# Altium PCB BLE-T2.PcbDoc (part 3 of 3)
Units mm, origin at the board's own origin, x right, y up, seen from the top; angles counter-clockwise.
Board outline 284.81 x 94.32 mm, 2 copper layers (Component Side, Bottom Layer), stack 1.571 mm thick; 178 components, 105 nets, 791 pads, 192 vias.
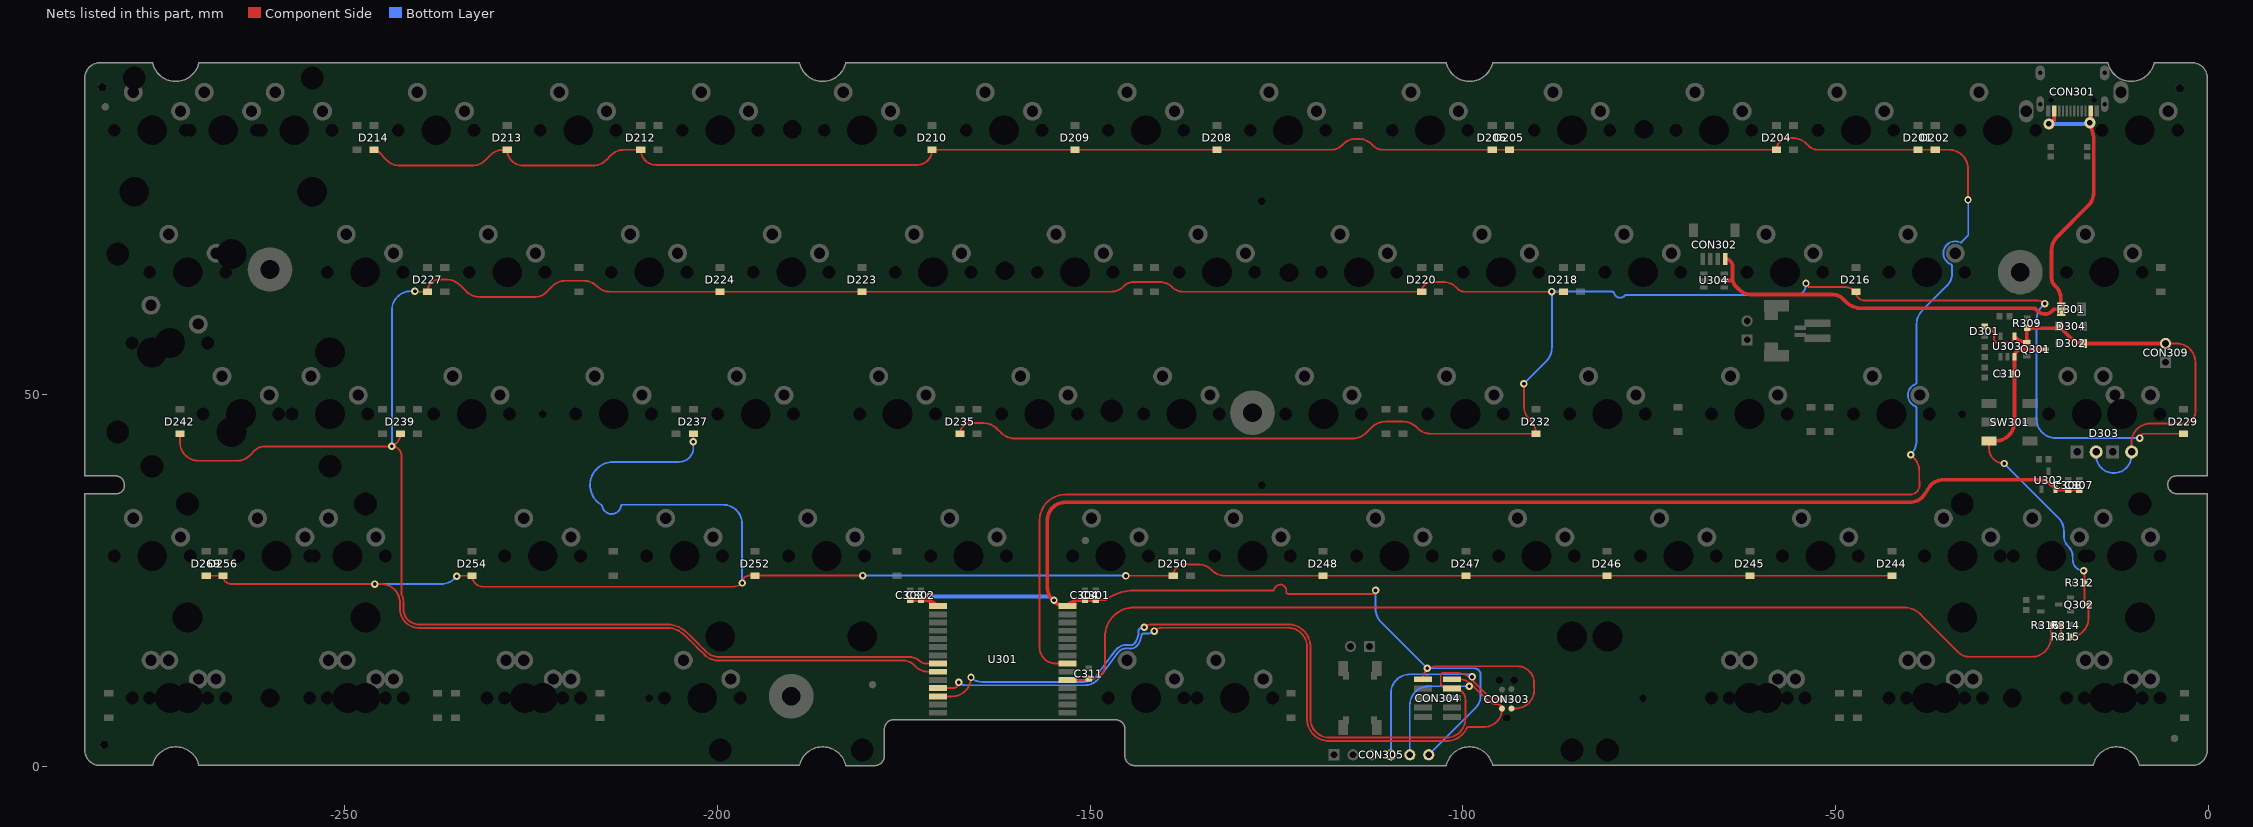
[diagram p3: the nets of this part, all layers, seen from the top]

## Via types
v1: diameter 1, hole 0.5, Component Side to Bottom Layer, tented both sides, 190 vias
v2: diameter 1.5, hole 0.75, Component Side to Bottom Layer, tented both sides, 2 vias

## Nets (pads, with @x,y where several pads share a name; then routed paths per layer and width w, separated by ;. In a path a pad name is that pad's centre, name@x,y a point inside that pad or via, vN(x,y) a via of type N, cw(c..) or ccw(c..) an arc to the next point about the centre after c; other vN are vias at no path point) (continued)
P0.22: D216.2 D218.2 D220.2 D223.2 D224.2 D227.2 D229.2 D232.2 D235.2 D239.2 D242.2 U301.22 | length 518.9
  Component Side w0.254: D242.2@-272.15,44.68 -272.15,43.59 ccw(c-269.61,43.59) -269.61,41.05 -264.502,41.05 ccw(c-264.502,43.59) -262.706,41.794 -262,42.5 cw(c-260.914,41.414) -260.914,42.95 -244.28,42.95 ccw(c-244.28,44.68) D239.2@-242.55,44.68 ; v1(-243.7,43) cw(c-243.7,41.7) -242.4,41.7 -242.4,23.23 ccw(c-242.146,23.23) -242.38,23.132 cw(c-245.14,21.971) -242.147,22.057 cw(c-245.14,21.971) -242.146,21.971 -242.146,21.174 ccw(c-240.06,21.174) -241.514,19.678 ccw(c-240.06,21.174) -241.512,19.677 ccw(c-240.06,21.174) -240.06,19.088 -206.34,19.088 cw(c-206.34,18.834) -206.272,19.079 -205.806,18.952 cw(c-206.828,15.186) -204.095,17.971 -203.456,17.345 -202.502,16.411 cw(c-204.571,14.295) -202.485,16.394 -201.64,15.557 -201.541,15.457 ccw(c-199.745,17.253) -201.491,15.409 ccw(c-199.745,17.253) -199.745,14.713 ; v1(-240.6,63.8) ccw(c-240.53,63.8) -240.53,63.73 D227.2@-238.9,63.73 -238.9,63.85 cw(c-237.4,63.85) -237.4,65.35 -236.29,65.35 cw(c-236.29,62.96) -234.6,64.65 -233.744,63.794 ccw(c-231.948,65.59) -231.948,63.05 -224.449,63.05 ccw(c-224.449,65.099) -223,63.65 -222.194,64.456 cw(c-220.398,62.66) -220.398,65.2 -217.952,65.2 cw(c-217.952,62.66) -216.156,64.456 -216.15,64.45 ccw(c-214.412,66.188) -214.412,63.73 D224.2@-199.644,63.73 D223.2@-180.594,63.73 -147.272,63.73 ccw(c-147.272,66.27) -145.476,64.474 -145.4,64.55 cw(c-144.193,63.343) -144.193,65.05 -140.69,65.05 cw(c-140.69,62.66) -139,64.35 ccw(c-137.503,65.847) -137.503,63.73 D220.2@-105.5,63.73 cw(c-104.18,63.73) -104.18,65.05 -102.652,65.05 cw(c-102.652,62.51) -100.856,64.306 -100.65,64.1 ccw(c-99.757,64.993) -99.757,63.73 D218.2@-86.5,63.73 ; -199.745,14.713 -198.227,14.714 cw(c-198.221,11.755) -198.216,14.714 -197.2,14.713 -174.23,14.713 cw(c-174.23,12.62) -172.75,14.1 ccw(c-172.13,14.72) -172.13,13.843 U301.22@-170.434,13.843 ; D235.2@-167.45,44.68 cw(c-166.03,44.68) -166.03,46.1 -164.302,46.1 cw(c-164.302,43.56) -162.506,45.356 -161.944,44.794 ccw(c-160.148,46.59) -160.148,44.05 -114.752,44.05 ccw(c-114.752,46.59) -112.956,44.794 -112.194,45.556 cw(c-110.398,43.76) -110.398,46.3 -108.002,46.3 cw(c-108.002,43.76) -106.206,45.556 -106.074,45.424 ccw(c-104.278,47.22) -104.278,44.68 D232.2@-90.17,44.68 ccw(c-92.681,44.68) -90.905,46.455 -91.056,46.606 cw(c-89.26,48.402) -91.8,48.402 v1(-91.8,51.4) ; -53.647,64.381 -52.7,64.381 -48.816,64.381 cw(c-48.816,62.158) D216.2@-47.244,63.73 ccw(c-46.045,63.73) -46.045,62.531 -22.82,62.531 cw(c-22.82,61.23) v1(-21.9,62.15) ; v1(-9.15,44.1) cw(c-8.57,44.1) -8.57,44.68 D229.2@-3.302,44.68
  Bottom Layer w0.254: v1(-243.7,43) -243.7,61.26 cw(c-241.16,61.26) -241.16,63.8 v1(-240.6,63.8) ; v1(-91.8,51.4) -88.794,54.406 ccw(c-90.59,56.202) -88.05,56.202 v1(-88.05,63.75) -79.952,63.75 cw(c-79.951,63.496) -79.704,63.556 ccw(c-78.9,63.75) -78.289,63.193 cw(c-78.101,63.022) -78.1,63.276 -55.324,63.276 ccw(c-55.324,64.65) v1@-53.95,64.65 ; v1(-21.9,62.15) -22.256,61.794 ccw(c-20.46,59.998) -23,59.998 -23,46.64 ccw(c-20.46,46.64) -20.46,44.1 v1(-9.15,44.1)
  other v1: -53.95,64.85
P0.24: D237.2 D244.2 D245.2 D246.2 D247.2 D248.2 D250.2 D252.2 D254.2 D256.2 D269.2 U301.23 | length 362.1
  Component Side w0.254: D269.2@-268.6,25.63 D256.2@-266.35,25.63 ccw(c-265.231,25.63) -265.231,24.511 v1(-245.999,24.511) -245.14,24.511 cw(c-245.14,21.971) -242.6,21.971 -242.6,21.174 ccw(c-240.06,21.174) -240.06,18.634 -206.732,18.634 cw(c-206.732,17.926) -206.682,18.632 -206.59,18.626 cw(c-206.828,15.186) -204.413,17.647 -202.821,16.087 cw(c-204.571,14.295) -202.792,16.059 -201.737,15.003 ccw(c-199.94,16.799) -199.94,14.259 -199.745,14.259 -198.227,14.26 ; v1(-235,25.55) cw(c-234.807,25.357) -234.807,25.63 D254.2@-232.918,25.63 ccw(c-231.438,25.63) -231.438,24.15 -197.907,24.15 ccw(c-197.907,25.857) v1(-196.7,24.65) cw(c-195.7,24.65) -195.7,25.65 v1(-180.5,25.65) ; v1(-203.25,43.6) D237.2@-203.25,44.68 ; -198.226,14.26 cw(c-198.221,11.755) -198.216,14.26 ; -198.215,14.26 -197.55,14.259 -176,14.259 -175.05,14.259 cw(c-175.05,12.35) -173.7,13.7 -173.487,13.487 ccw(c-171.691,15.283) -171.691,12.743 U301.23@-171.141,12.743 ; v1@-145.25,25.6 cw(c-145.22,25.6) -145.22,25.63 D250.2@-138.85,25.63 cw(c-137.33,25.63) -137.33,27.15 -135.502,27.15 cw(c-135.502,24.61) -133.706,26.406 -133.6,26.3 ccw(c-131.982,27.918) -131.982,25.63 D248.2@-118.745,25.63 D247.2@-99.568,25.63 D246.2@-80.645,25.63 D245.2@-61.468,25.63 D244.2@-42.418,25.63
  Bottom Layer w0.254: v1(-245.999,24.511) -237.091,24.511 ccw(c-237.091,27.051) -235.295,25.255 v1(-235,25.55) ; v1(-203.25,43.6) -203.25,42.8 cw(c-205.15,42.8) -205.15,40.9 -205.5,40.9 cw(c-205.58,41.141) -205.58,40.887 -214,40.887 ccw(c-214,37.79) -215.592,35.134 cw(c-215.723,34.916) -215.473,34.963 ccw(c-214.214,35.199) -212.959,34.944 cw(c-212.71,34.893) -212.709,35.147 -199.24,35.147 cw(c-199.24,32.607) -196.7,32.607 v1(-196.7,24.65) ; v1@-180.6,25.55 cw(c-180.5,25.55) v1(-180.5,25.65) -145.245,25.65 cw(c-145.245,25.599) v1(-145.193,25.599)
P0.26: D201.2 D202.2 D204.2 D205.2 D206.2 D208.2 D209.2 D210.2 D212.2 D213.2 D214.2 U301.7 | length 414.4
  Component Side w0.254: D214.2@-246.1,82.78 cw(c-246.1,82.007) -245.554,82.554 -244.394,81.394 ccw(c-242.598,83.19) -242.598,80.65 -232.952,80.65 ccw(c-232.952,83.19) -231.156,81.394 -230.514,82.036 cw(c-228.718,80.24) -228.718,82.78 D213.2@-228.219,82.78 ccw(c-226.089,82.78) -226.089,80.65 -216.752,80.65 ccw(c-216.752,83.19) -214.956,81.394 -214.314,82.036 cw(c-212.518,80.24) -212.518,82.78 D212.2@-210.3,82.78 ccw(c-208.27,82.78) -208.27,80.75 -173.226,80.75 ccw(c-173.226,82.78) D210.2@-171.196,82.78 D209.2@-152.019,82.78 D208.2@-132.969,82.78 -117.626,82.78 ccw(c-117.626,84.726) -116.25,83.35 -116.094,83.506 cw(c-114.298,81.71) -114.298,84.25 -114.002,84.25 cw(c-114.002,81.71) -112.206,83.506 -112.05,83.35 ccw(c-110.674,84.726) -110.674,82.78 D206.2@-96.05,82.78 D205.2@-93.75,82.78 D204.2@-57.9,82.78 cw(c-56.33,82.78) -56.33,84.35 -55.702,84.35 cw(c-55.702,81.81) -53.906,83.606 -53.6,83.3 ccw(c-52.345,84.555) -52.345,82.78 D201.2@-38.9,82.78 D202.2@-36.6,82.78 -34.748,82.78 cw(c-34.748,80.24) -32.208,80.24 v1(-32.208,76.054) ; U301.7@-153.034,13.843 -154.647,13.843 cw(c-154.647,15.968) -156.772,15.968 -156.772,22.6 -156.772,22.622 -156.772,32.28 -156.772,33.061 cw(c-153.324,33.061) -156.252,34.882 cw(c-153.324,33.061) -155.092,36.021 cw(c-153.324,33.061) -153.324,36.509 -40,36.509 ccw(c-40,37.79) -38.721,37.853 -38.752,39.032 cw(c-38.044,39.05) -38.752,39.05 ; v1(-39.908,41.873) -39.496,41.462 cw(c-41.292,39.666) -38.752,39.666 ; -38.752,39.051 -38.752,39.664
  Bottom Layer w0.254: v1(-39.908,41.873) -39.875,41.906 ccw(c-41.671,43.702) -39.131,43.702 -39.131,48.144 ccw(c-39.385,48.145) -39.288,48.379 cw(c-38.677,49.855) -39.288,51.331 ccw(c-39.385,51.565) -39.131,51.566 -39.131,59.203 cw(c-36.137,59.203) -38.879,60.407 cw(c-36.137,59.203) -38.254,61.321 -35.113,64.463 -34.98,64.595 ccw(c-36.455,66.07) -34.369,66.07 -34.369,67.194 ccw(c-34.623,67.195) -34.526,67.429 cw(c-33.915,68.905) -33.275,70.368 ccw(c-33.173,70.601) -33.119,70.353 -33.107,70.356 -32.181,71.281 v1@-32.181,76.031
P0.29: C311.2 R314.2 R315.1 R316.1 U301.5 | length 148.1
  Component Side w0.254: U301.5@-153.034,11.643 -150.507,11.643 ccw(c-150.507,12.9) C311.2@-149.816,11.85 ; C311.2@-150.2,11.85 C311.2@-149.816,11.85 ; R315.1@-19.75,17.45 R314.2@-19.75,19 R316.1@-21.1,19 -21.1,17.289 cw(c-23.64,17.289) -23.64,14.749 -32.039,14.749 cw(c-32.039,16.835) -33.512,15.358 -36.227,18.073 -37.475,19.321 cw(c-37.296,19.501) -37.5,19.35 cw(c-37.349,19.554) -37.529,19.375 -38.327,20.173 -38.647,20.493 ccw(c-40.765,18.377) -39.232,20.948 ccw(c-40.765,18.377) -40.765,21.371 -144.125,21.371 ccw(c-144.125,20.463) -144.136,21.371 -144.148,21.371 ccw(c-144.11,17.469) -147.434,19.513 ccw(c-144.11,17.469) -148.012,17.469 -148.012,13.412 cw(c-148.266,13.411) -148.014,13.378 cw(c-149.75,13.6) -149.75,11.85 C311.2@-149.816,11.85
RAW: CON301.A4B9 CON301.B4A9 CON302.1 F301.2 U304.5 | length 87.8
  Component Side w0.5: U304.5@-64.925,65.25 -63.841,65.25 cw(c-63.841,65.142) -63.765,65.218 ; CON302.1@-64.77,68.125 cw(c-64.77,67.155) -63.8,67.155 -63.8,65.55 ccw(c-62.231,65.55) -63.765,65.218 ; v2(-21.35,86.25) ccw(c-21.35,86.95) -20.65,86.95 CON301.B4A9@-20.65,88 ; F301.2@-20.026,61.074 F301.2@-19.7,61.4 -20.593,61.4 ccw(c-20.595,60.9) -20.724,61.383 cw(c-21.9,62.15) -23.019,61.302 ccw(c-23.417,61) -23.419,61.5 -24.199,61.5 -46.425,61.5 cw(c-46.425,64.617) -48.629,62.413 -48.99,62.774 ccw(c-50.379,61.387) -49.096,62.873 ccw(c-50.379,61.387) -50.379,63.35 -61.198,63.35 cw(c-61.198,65.89) -62.994,64.094 -63.34,64.44 cw(c-62.231,65.55) -63.765,65.218 ; F301.2@-19.75,61.5 -19.75,62.76 ccw(c-22.14,62.76) -20.45,64.45 -20.576,64.576 cw(c-19.551,65.6) -21,65.6 -21,69.298 cw(c-18.46,69.298) -20.256,71.094 -16.094,75.256 ccw(c-17.89,77.052) -15.35,77.052 -15.35,84.5 -15.423,84.807 v2(-15.859,86.399) ccw(c-16.122,86.662) -15.75,86.662 CON301.A4B9@-15.75,88
  Bottom Layer w0.5: v2(-21.35,86.25) -16.008,86.25 ccw(c-16.008,86.399) v2(-15.859,86.399)
SWDCLK: CON303.4 CON304.4 CON305.4 U301.26 | length 129.4
  Component Side w0.254: U301.26@-170.434,9.443 -168.529,9.443 ccw(c-168.529,11.983) v1(-165.989,11.983) ; v1(-142.75,18.7) cw(c-141.782,17.732) -141.782,19.101 -123.444,19.101 cw(c-123.444,16.107) -122.787,19.028 cw(c-123.444,16.107) -120.523,16.764 cw(c-123.444,16.107) -120.45,16.107 -120.45,6.44 ccw(c-117.91,6.44) -117.91,3.9 -102.19,3.9 ccw(c-102.19,6.44) -99.65,6.44 -99.65,9 ccw(c-101.135,9) -101.135,10.485 CON304.4@-101.428,10.485 -102.2,10.485 cw(c-102.2,11.24) -102.955,11.24 -102.955,12.27 cw(c-102.652,12.27) -102.652,12.573 -100.727,12.573 cw(c-100.727,10.033) -99.132,12.01 cw(c-100.727,10.033) -98.931,11.829 -98.542,11.44 ; -98.552,11.43 -96.939,9.817 ccw(c-95.143,11.613) -95.143,9.073 CON303.4@-94.742,9.073
  Bottom Layer w0.254: v1(-165.989,11.983) ccw(c-164.543,13.429) -164.543,11.384 -150.777,11.384 ccw(c-150.777,13.47) -149.341,11.957 ccw(c-149.516,12.141) -149.312,11.99 -147.625,14.256 -146.801,15.364 ; -146.76,15.411 cw(c-145.039,14.295) -144.684,16.315 ; -145.002,16.346 cw(c-145.039,14.295) -144.689,16.316 ccw(c-144.565,17.013) -144.684,16.315 ; v1(-142.75,18.7) ccw(c-142.75,17.5) -143.291,18.571 ccw(c-143.177,18.344) -143.359,18.522 cw(c-143.95,19.1) -143.408,18.475 ccw(c-143.242,18.283) -143.496,18.283 -143.496,18.246 cw(c-146.49,18.246) -143.741,17.06 cw(c-146.49,18.246) -143.971,16.627 cw(c-144.565,17.013) -144.684,16.315 ; CON305.4@-109.65,1.6 -109.65,9.86 cw(c-107.11,9.86) -107.11,12.4 -104.978,12.4 cw(c-104.977,12.146) -104.929,12.396 ccw(c-104.775,13.208) -104.621,12.396 cw(c-104.573,12.146) -104.572,12.4 -99.1,12.4 cw(c-99.1,12.05) v1(-98.75,12.05)
SWDIO: CON303.2 CON304.2 CON305.5 U301.25 | length 119.3
  Component Side w0.254: U301.25@-170.18,10.543 -168.4,10.543 ccw(c-168.4,11.303) v1(-167.64,11.303) ; v1(-141.4,18.2) cw(c-140.321,17.121) -140.321,18.647 -123.444,18.647 cw(c-123.444,16.107) -123.011,18.61 cw(c-123.444,16.107) -120.941,16.54 cw(c-123.444,16.107) -120.904,16.107 -120.904,6.39 ccw(c-118.364,6.39) -120.838,5.814 ccw(c-117.91,6.44) -117.91,3.446 -102.19,3.446 ccw(c-102.19,6.44) -100.242,4.166 ccw(c-102.19,6.44) -99.481,5.165 cw(c-99.251,5.057) -99.297,5.307 cw(c-99.081,4.166) -99.081,5.327 -97.49,5.327 cw(c-97.16,2.96) -97.16,5.35 -97.1,5.35 ccw(c-97.1,7.708) -95.25,6.246 ccw(c-97.1,7.708) -94.742,7.708 CON303.2@-94.742,7.803 ccw(c-95.321,7.803) -95.321,8.382 cw(c-95.321,10.374) -96.729,8.965 -98.775,11.011 ccw(c-100.571,9.215) -100.571,11.755 CON304.2@-101.428,11.755
  Bottom Layer w0.254: v1(-167.64,11.303) ccw(c-166.739,12.204) -166.739,10.93 -150.777,10.93 ccw(c-150.777,13.47) -148.981,11.674 -147.035,14.289 -146.462,15.059 -146.437,15.092 ccw(c-146.605,15.283) -146.39,15.147 cw(c-145.039,14.295) -144.762,15.868 ; -145.247,15.878 cw(c-145.039,14.295) -144.767,15.869 ccw(c-144.565,17.013) -144.762,15.868 ; v1(-141.4,18.2) cw(c-142.182,18.982) -142.182,17.876 ccw(c-142.182,17.622) -142.185,17.876 -142.746,17.873 cw(c-142.75,18.7) -142.819,17.876 ccw(c-142.841,17.623) -143.091,17.666 cw(c-146.49,18.246) -143.155,17.37 cw(c-146.49,18.246) -143.59,16.38 cw(c-144.565,17.013) -144.762,15.868 ; CON305.5@-107.11,1.6 -107.11,8.26 cw(c-104.57,8.26) -104.57,10.8 v1(-99.15,10.8)
VBAT: C310.2 Q301.3 Q302.3 R312.1 R315.2 SW301.1 U303.3 | length 51.7
  Component Side w0.254: SW301.1@-29.376,43.728 -29.376,42.701 ccw(c-27.357,42.701) v1(-27.357,40.682) ; R315.2@-18.45,17.45 ccw(c-18.45,19.842) -16.058,19.842 Q302.3@-16.058,21.76 cw(c-16.058,22.302) -16.6,22.302 -16.6,24.7 -16.6,26.2 ccw(c-16.7,26.2) v1(-16.7,26.3)
  Component Side w0.5: SW301.1@-29.376,43.728 -28.514,43.728 ccw(c-28.514,46.268) -25.974,46.268 U303.3@-25.974,55.013 cw(c-24.98,55.013) -24.98,56.007 Q301.3@-21.914,56.007
  Bottom Layer w0.254: v1(-27.357,40.682) -20.094,33.419 cw(c-21.89,31.623) -19.35,31.623 -19.35,30.999 ccw(c-17.301,30.999) -18.75,29.55 cw(c-20.199,28.101) -18.15,28.101 -18.15,27.75 ccw(c-16.7,27.75) v1(-16.7,26.3)
VCC3V3: C301.2 C302.2 C303.2 C304.2 C307.2 C308.2 CON303.1 CON304.1 CON305.6 U301.14 U301.15 U302.2 | length 278
  Component Side w0.254: C301.2@-149.227,22.35 -148.01,22.35 ccw(c-148.01,22.604) -147.859,22.4 cw(c-144.125,17.405) -144.556,23.626 -144.389,23.638 cw(c-144.294,22.279) -144.294,23.641 -126.15,23.641 -125.54,23.641 ccw(c-125.54,23.895) -125.296,23.826 cw(c-124.5,23.6) -123.682,23.478 ccw(c-123.431,23.441) -123.431,23.187 -122.55,23.187 -112.163,23.187 ccw(c-112.163,23.65) v1(-111.7,23.65) ; v1(-104.775,13.208) -104.615,13.208 ccw(c-103.759,11.893) -105.328,11.893 CON304.1@-105.328,11.755 cw(c-103.602,11.755) -103.893,13.456 cw(c-103.602,11.755) -103.602,13.481 -92.668,13.481 cw(c-92.668,11.237) -90.424,11.237 -90.424,10.541 ; CON303.1@-93.472,7.803 -92.955,7.803 ccw(c-92.955,10.343) -90.424,10.131 ccw(c-92.955,10.343) -90.415,10.343 -90.415,10.541
  Component Side w0.5: C303.2@-174.15,22.35 C302.2@-172.7,22.35 ccw(c-172.7,24.04) v1@-171.505,22.845 ; C302.2@-172.293,22.35 cw(c-172.293,19.81) -170.497,21.606 U301.15@-170.434,21.543 ; C301.2@-149.227,22.35 C304.2@-150.7,22.35 -151.342,22.35 ccw(c-151.342,19.81) -153.026,21.712 ccw(c-151.342,19.81) -153.138,21.606 -153.201,21.543 cw(c-153.201,24.083) -155.741,24.083 -155.741,29.8 -155.741,33.061 cw(c-153.324,33.061) -155.388,34.319 cw(c-153.324,33.061) -153.324,35.478 -40,35.478 ccw(c-40,37.79) -39.006,35.703 ccw(c-40,37.79) -38.066,36.523 -37.309,37.676 cw(c-36.891,37.402) -37.244,37.756 cw(c-35.448,35.96) -35.448,38.5 -22.752,38.5 cw(c-22.752,35.96) -20.956,37.756 U302.2@-20.45,37.25 ; U302.2@-20.209,37.15 C308.2@-18.75,37.15 C307.2@-17.3,37.15
  Bottom Layer w0.254: v1(-111.7,23.65) -111.7,21.185 ccw(c-109.16,21.185) -110.956,19.389 v1(-104.775,13.208) -98.508,13.208 cw(c-98.508,12.3) -97.6,12.3 -97.6,9.622 cw(c-100.14,9.622) -98.344,7.826 CON305.6@-104.57,1.6
  Bottom Layer w0.5: v1(-171.5,22.85) -156.057,22.85 cw(c-156.057,21.143) v1(-154.85,22.35)
VCC5V: CON309.2 D301.1 D302.1 D303.1 D304.2 Q301.1 R309.1 U303.4 | length 66.2
  Component Side w0.254: D301.1@-29.972,59.07 cw(c-29.972,57.793) -28.695,57.793 -28.695,57.366 ccw(c-28.229,57.366) -28.229,56.9 -26.837,56.9 ccw(c-26.837,57.763) U303.4@-25.974,57.763 ; D303.1@-10.262,42.235 -10.262,43.51 cw(c-7.722,43.51) -7.722,46.05 -3.25,46.05 ccw(c-3.25,47.6) -1.7,47.6 -1.7,54.26 ; CON309.2@-5.7,56.8 -4.24,56.8 ; -4.24,56.8 cw(c-4.24,54.26) -1.7,54.26 ; -4.24,56.8 cw(c-4.24,54.26) -1.7,54.26
  Component Side w0.5: U303.4@-25.974,57.763 -25.772,57.561 ccw(c-24.314,59.019) Q301.1@-24.314,56.957 ; Q301.1@-24.106,57.165 ccw(c-24.106,56.957) Q301.1@-24.314,56.957 ; CON309.2@-5.7,56.8 D302.1@-16.715,56.8 cw(c-16.715,59.142) -18.371,57.486 D304.2@-19.985,59.1 cw(c-20.589,59.704) -20.589,58.85 R309.1@-24.25,58.85 ccw(c-24.25,58.786) -24.314,58.786 Q301.1@-24.314,56.957
  Bottom Layer w0.254: D303.1@-15.024,42.235 -15.024,41.774 ccw(c-12.65,41.774) -12.65,39.4 ccw(c-12.65,41.788) -10.262,41.788 D303.1@-10.262,42.235
pads on no net: CON301. CON301.A8 CON301.B8 CON303.0 CON303.6 CON304.6 CON304.7 CON304.8 D303. FID1.0 FID2.0 FID3.0 FID4.0 S201. S202. S203. S204. S205. S206. S207. S208. S209. S210. S211. S212. S213. S214. S215. S216. S217. S218. S219. S220. S221. S222. S223. S224. S225. S226. S227. S228. S228_2. S229. S230. S231. S232. S233. S234. S235. S236. S237. S238. S239. S240. S242. S243. S244. S245. S246. S247. S248. S249. S250. S251. S252. S253. S254. S256. S257. S258. S259. S260. S262. S264. S265. S266. S267. S269. S301. S302. SW301.3 SW301.4 SW301.5 SW301.6 U304.1 U304.6

## Polygon pours and split planes (outlines as drawn)
GND on Bottom Layer "Component Side-No Net" (hatched 45Degree grid 0.508 track 0.203, remove dead copper, pour order 0): -0.635,93.995 -0.635,0.65 -284.5,0.65 -284.5,93.995
GND on Component Side "Component Side-No Net" (hatched 45Degree grid 0.508 track 0.203, remove dead copper, pour order 5): -0.635,93.995 -0.635,0.65 -284.45,0.65 -284.45,93.995

## Other copper
Component Side:
  pour cut-out: -179.576,0.298 cw(c-179.576,0.426) -179.585,0.553 ccw(c-179.655,1.521) -178.697,1.367 cw(c-178.572,1.347) -178.688,1.398 -178.688,5.791 cw(c-178.56,5.791) -178.686,5.811 cw(c-177.476,5.617) -177.565,6.839 -145.34,6.839 cw(c-145.34,6.719) -145.319,6.837 cw(c-145.298,6.713) -145.278,6.837 cw(c-145.472,5.628) -144.25,5.716 cw(c-144.425,5.709) -144.252,5.685 cw(c-144.37,5.665) -144.25,5.664 -144.25,1.536 cw(c-144.371,1.535) -144.252,1.512 cw(c-144.37,1.474) -144.246,1.483 ccw(c-143.279,1.518) -143.25,0.55 cw(c-143.374,0.398) -143.204,0.3
  pour cut-out: -214,36.59 cw(c-214,37.79) -214,38.99 -40,38.99 cw(c-40,37.79) -38.8,37.79 cw(c-40,37.79) -40,36.59
  pour cut-out: -214,74.69 cw(c-214,75.89) -214,77.09 -40,77.09 cw(c-40,75.89) -38.8,75.89 cw(c-40,75.89) -40,74.69
  pour cut-out: -285.3,2.215 ccw(c-282.85,2.215) -282.85,-0.235 ccw(c-282.85,0.215) -282.848,-0.235 -275.85,-0.235 ccw(c-275.85,0.215) -275.411,0.114 cw(c-272.7,-0.52) -269.989,0.113 ccw(c-269.55,0.215) -269.1,0.215 ccw(c-269.55,0.215) -269.111,0.317 ccw(c-272.7,-0.52) -276.189,0.665 -282.85,0.665 ccw(c-282.85,0.215) -282.851,0.665 ccw(c-282.85,2.215) -282.85,0.665 -282.851,0.665 cw(c-282.85,2.215) -284.4,2.215 -284.4,36.126 -280.67,36.126 ccw(c-280.67,37.719) -279.077,37.719 -279.077,37.795 ccw(c-280.797,37.795) -280.797,39.515 -284.4,39.515 -284.4,92.415 ccw(c-284.85,92.415) -284.4,92.416 cw(c-282.85,92.415) -282.851,93.965 cw(c-282.85,92.415) -282.85,93.965 -276.189,93.965 ccw(c-272.7,95.149) -269.211,93.965 -189.389,93.965 ccw(c-185.9,95.149) -182.411,93.965 -102.589,93.965 ccw(c-99.1,95.149) -95.611,93.965 -13.816,93.965 ccw(c-10.327,95.149) -6.838,93.965 -2.15,93.965 cw(c-2.15,92.415) -0.6,92.415 -0.6,39.515 -4.242,39.515 ccw(c-4.242,37.846) -5.911,37.846 ccw(c-4.191,37.846) -4.191,36.126 -0.6,36.126 -0.6,2.215 cw(c-2.15,2.215) -2.15,0.665 -8.811,0.665 ccw(c-12.3,-0.52) -15.789,0.665 -95.611,0.665 ccw(c-99.1,-0.52) -102.589,0.665 -182.411,0.665 ccw(c-185.9,-0.52) -189.489,0.317 ccw(c-189.05,0.215) -188.611,0.113 cw(c-185.9,-0.52) -183.189,0.114 cw(c-185.9,-0.52) -183.189,0.113 -183.189,0.114 ccw(c-182.75,0.215) -182.75,-0.235 -102.25,-0.235 ccw(c-102.25,0.215) -101.811,0.115 cw(c-99.1,-0.52) -96.389,0.114 cw(c-99.1,-0.52) -96.389,0.113 -96.389,0.114 ccw(c-95.95,0.215) -95.95,-0.235 -15.45,-0.235 ccw(c-15.45,0.215) -15.011,0.114 cw(c-12.3,-0.52) -9.589,0.113 ccw(c-9.15,0.215) -9.15,-0.235 -2.15,-0.235 ccw(c-2.15,2.215) 0.3,2.215 0.3,36.576 ccw(c-0.15,36.576) -0.15,37.026 -4.191,37.026 cw(c-4.191,37.846) -5.011,37.846 cw(c-4.242,37.846) -4.242,38.615 -0.15,38.615 ccw(c-0.15,39.065) 0.3,39.065 0.3,92.415 ccw(c-2.15,92.415) -2.15,94.865 -7.15,94.865 ccw(c-7.15,94.415) -7.164,94.865 ccw(c-7.177,94.415) -7.616,94.517 cw(c-10.327,95.149) -13.038,94.516 cw(c-10.327,95.149) -13.038,94.517 -13.038,94.516 ccw(c-13.477,94.415) -13.477,94.865 -95.95,94.865 ccw(c-95.95,94.415) -96.389,94.517 cw(c-99.1,95.149) -101.811,94.516 cw(c-99.1,95.149) -101.811,94.517 -101.811,94.516 ccw(c-102.25,94.415) -102.25,94.865 -182.75,94.865 ccw(c-182.75,94.415) -183.189,94.516 ccw(c-185.9,95.149) -183.189,94.517 -183.189,94.516 cw(c-185.9,95.149) -188.611,94.517 ccw(c-189.05,94.415) -189.05,94.865 -269.55,94.865 ccw(c-269.55,94.415) -269.988,94.517 cw(c-272.7,95.149) -275.411,94.516 ccw(c-275.85,94.415) -275.85,94.865 -282.85,94.865 cw(c-282.85,94.415) -282.848,94.865 -282.85,94.865 ccw(c-282.85,92.415) -285.3,92.415 ccw(c-284.85,92.415) -285.3,92.413 -285.3,39.065 ccw(c-284.85,39.065) -284.85,38.615 -280.797,38.615 cw(c-280.797,37.795) -279.977,37.795 -279.977,37.719 cw(c-280.67,37.719) -280.67,37.026 -284.861,37.026 ccw(c-284.861,36.576) -285.3,36.477
  pour cut-out: -269.55,-0.235 cw(c-269.55,0.215) -269.55,0.665 -189.05,0.665 cw(c-189.05,0.215) -188.6,0.215 cw(c-189.05,0.215) -189.05,-0.235
  pour cut-out: -285.313,36.012 -285.313,39.695 -280.67,39.695 cw(c-280.67,37.846) -280.67,35.997 -285.298,35.997 cw(c-285.298,36.012)
  pour cut-out: 0.254,39.624 0.254,35.941 -4.389,35.941 cw(c-4.389,37.79) -4.389,39.639 0.239,39.639 cw(c0.239,39.624)
  pour cut-out: -13.836,94.342 ccw(c-10.3,95.149) -6.753,94.388 ccw(c-6.878,94.415) -6.75,94.415 ccw(c-6.878,94.415) -6.878,94.542 -13.667,94.542 ccw(c-13.667,94.415) -13.777,94.48 ccw(c-13.712,94.37)
  pour cut-out: -8.764,0.288 ccw(c-12.3,-0.519) -15.847,0.242 ccw(c-15.722,0.215) -15.85,0.215 ccw(c-15.722,0.215) -15.722,0.088 -8.933,0.088 ccw(c-8.933,0.215) -8.823,0.15 ccw(c-8.888,0.26)
  pour cut-out: -95.564,0.288 ccw(c-99.1,-0.519) -102.647,0.242 ccw(c-102.522,0.215) -102.65,0.215 ccw(c-102.522,0.215) -102.522,0.088 -95.733,0.088 ccw(c-95.733,0.215) -95.623,0.15 ccw(c-95.688,0.26)
  pour cut-out: -182.364,0.288 ccw(c-185.9,-0.519) -189.447,0.242 ccw(c-189.322,0.215) -189.45,0.215 ccw(c-189.322,0.215) -189.322,0.088 -182.533,0.088 ccw(c-182.533,0.215) -182.423,0.15 ccw(c-182.488,0.26)
  pour cut-out: -269.164,0.288 ccw(c-272.7,-0.519) -276.247,0.242 ccw(c-276.122,0.215) -276.25,0.215 ccw(c-276.122,0.215) -276.122,0.088 -269.333,0.088 ccw(c-269.333,0.215) -269.223,0.15 ccw(c-269.288,0.26)
  pour cut-out: -102.636,94.342 ccw(c-99.1,95.149) -95.553,94.388 ccw(c-95.678,94.415) -95.55,94.415 ccw(c-95.678,94.415) -95.678,94.542 -102.467,94.542 ccw(c-102.467,94.415) -102.577,94.48 ccw(c-102.512,94.37)
  pour cut-out: -189.436,94.342 ccw(c-185.9,95.149) -182.353,94.388 ccw(c-182.478,94.415) -182.35,94.415 ccw(c-182.478,94.415) -182.478,94.542 -189.267,94.542 ccw(c-189.267,94.415) -189.377,94.48 ccw(c-189.312,94.37)
  pour cut-out: -276.236,94.342 ccw(c-272.7,95.149) -269.153,94.388 ccw(c-269.278,94.415) -269.15,94.415 ccw(c-269.278,94.415) -269.278,94.542 -276.067,94.542 ccw(c-276.067,94.415) -276.177,94.48 ccw(c-276.112,94.37)
Bottom Layer:
  pour cut-out: -179.576,0.298 cw(c-179.576,0.426) -179.585,0.553 ccw(c-179.655,1.521) -178.697,1.367 cw(c-178.572,1.347) -178.688,1.398 -178.688,5.791 cw(c-178.56,5.791) -178.686,5.811 cw(c-177.476,5.617) -177.565,6.839 -145.34,6.839 cw(c-145.34,6.719) -145.319,6.837 cw(c-145.298,6.713) -145.278,6.837 cw(c-145.472,5.628) -144.25,5.716 cw(c-144.425,5.709) -144.252,5.685 cw(c-144.37,5.665) -144.25,5.664 -144.25,1.536 cw(c-144.371,1.535) -144.252,1.512 cw(c-144.37,1.474) -144.246,1.483 ccw(c-143.279,1.518) -143.25,0.55 cw(c-143.374,0.398) -143.204,0.3
  pour cut-out: -214,36.59 cw(c-214,37.79) -214,38.99 -40,38.99 cw(c-40,37.79) -38.8,37.79 cw(c-40,37.79) -40,36.59
  pour cut-out: -214,74.69 cw(c-214,75.89) -214,77.09 -40,77.09 cw(c-40,75.89) -38.8,75.89 cw(c-40,75.89) -40,74.69
  pour cut-out: -285.3,2.215 ccw(c-282.85,2.215) -282.85,-0.235 ccw(c-282.85,0.215) -282.848,-0.235 -275.85,-0.235 ccw(c-275.85,0.215) -275.411,0.114 cw(c-272.7,-0.52) -269.989,0.113 ccw(c-269.55,0.215) -269.1,0.215 ccw(c-269.55,0.215) -269.111,0.317 ccw(c-272.7,-0.52) -276.189,0.665 -282.85,0.665 ccw(c-282.85,0.215) -282.851,0.665 ccw(c-282.85,2.215) -282.85,0.665 -282.851,0.665 cw(c-282.85,2.215) -284.4,2.215 -284.4,36.126 -280.67,36.126 ccw(c-280.67,37.719) -279.077,37.719 -279.077,37.795 ccw(c-280.797,37.795) -280.797,39.515 -284.4,39.515 -284.4,92.415 ccw(c-284.85,92.415) -284.4,92.416 cw(c-282.85,92.415) -282.851,93.965 cw(c-282.85,92.415) -282.85,93.965 -276.189,93.965 ccw(c-272.7,95.149) -269.211,93.965 -189.389,93.965 ccw(c-185.9,95.149) -182.411,93.965 -102.589,93.965 ccw(c-99.1,95.149) -95.611,93.965 -13.816,93.965 ccw(c-10.327,95.149) -6.838,93.965 -2.15,93.965 cw(c-2.15,92.415) -0.6,92.415 -0.6,39.515 -4.242,39.515 ccw(c-4.242,37.846) -5.911,37.846 ccw(c-4.191,37.846) -4.191,36.126 -0.6,36.126 -0.6,2.215 cw(c-2.15,2.215) -2.15,0.665 -8.811,0.665 ccw(c-12.3,-0.52) -15.789,0.665 -95.611,0.665 ccw(c-99.1,-0.52) -102.589,0.665 -182.411,0.665 ccw(c-185.9,-0.52) -189.489,0.317 ccw(c-189.05,0.215) -188.611,0.113 cw(c-185.9,-0.52) -183.189,0.114 cw(c-185.9,-0.52) -183.189,0.113 -183.189,0.114 ccw(c-182.75,0.215) -182.75,-0.235 -102.25,-0.235 ccw(c-102.25,0.215) -101.811,0.115 cw(c-99.1,-0.52) -96.389,0.114 cw(c-99.1,-0.52) -96.389,0.113 -96.389,0.114 ccw(c-95.95,0.215) -95.95,-0.235 -15.45,-0.235 ccw(c-15.45,0.215) -15.011,0.114 cw(c-12.3,-0.52) -9.589,0.113 ccw(c-9.15,0.215) -9.15,-0.235 -2.15,-0.235 ccw(c-2.15,2.215) 0.3,2.215 0.3,36.576 ccw(c-0.15,36.576) -0.15,37.026 -4.191,37.026 cw(c-4.191,37.846) -5.011,37.846 cw(c-4.242,37.846) -4.242,38.615 -0.15,38.615 ccw(c-0.15,39.065) 0.3,39.065 0.3,92.415 ccw(c-2.15,92.415) -2.15,94.865 -7.15,94.865 ccw(c-7.15,94.415) -7.164,94.865 ccw(c-7.177,94.415) -7.616,94.517 cw(c-10.327,95.149) -13.038,94.516 cw(c-10.327,95.149) -13.038,94.517 -13.038,94.516 ccw(c-13.477,94.415) -13.477,94.865 -95.95,94.865 ccw(c-95.95,94.415) -96.389,94.517 cw(c-99.1,95.149) -101.811,94.516 cw(c-99.1,95.149) -101.811,94.517 -101.811,94.516 ccw(c-102.25,94.415) -102.25,94.865 -182.75,94.865 ccw(c-182.75,94.415) -183.189,94.516 ccw(c-185.9,95.149) -183.189,94.517 -183.189,94.516 cw(c-185.9,95.149) -188.611,94.517 ccw(c-189.05,94.415) -189.05,94.865 -269.55,94.865 ccw(c-269.55,94.415) -269.988,94.517 cw(c-272.7,95.149) -275.411,94.516 ccw(c-275.85,94.415) -275.85,94.865 -282.85,94.865 cw(c-282.85,94.415) -282.848,94.865 -282.85,94.865 ccw(c-282.85,92.415) -285.3,92.415 ccw(c-284.85,92.415) -285.3,92.413 -285.3,39.065 ccw(c-284.85,39.065) -284.85,38.615 -280.797,38.615 cw(c-280.797,37.795) -279.977,37.795 -279.977,37.719 cw(c-280.67,37.719) -280.67,37.026 -284.861,37.026 ccw(c-284.861,36.576) -285.3,36.477
  pour cut-out: -269.55,-0.235 cw(c-269.55,0.215) -269.55,0.665 -189.05,0.665 cw(c-189.05,0.215) -188.6,0.215 cw(c-189.05,0.215) -189.05,-0.235
  pour cut-out: -285.313,36.012 -285.313,39.695 -280.67,39.695 cw(c-280.67,37.846) -280.67,35.997 -285.298,35.997 cw(c-285.298,36.012)
  pour cut-out: 0.254,39.624 0.254,35.941 -4.389,35.941 cw(c-4.389,37.79) -4.389,39.639 0.239,39.639 cw(c0.239,39.624)
  pour cut-out: -13.836,94.327 ccw(c-10.3,95.134) -6.753,94.373 ccw(c-6.878,94.4) -6.75,94.4 ccw(c-6.878,94.4) -6.878,94.527 -13.667,94.527 ccw(c-13.667,94.4) -13.777,94.465 ccw(c-13.712,94.355)
  pour cut-out: -269.164,0.288 ccw(c-272.7,-0.519) -276.247,0.242 ccw(c-276.122,0.215) -276.25,0.215 ccw(c-276.122,0.215) -276.122,0.088 -269.333,0.088 ccw(c-269.333,0.215) -269.223,0.15 ccw(c-269.288,0.26)
  pour cut-out: -182.364,0.288 ccw(c-185.9,-0.519) -189.447,0.242 ccw(c-189.322,0.215) -189.45,0.215 ccw(c-189.322,0.215) -189.322,0.088 -182.533,0.088 ccw(c-182.533,0.215) -182.423,0.15 ccw(c-182.488,0.26)
  pour cut-out: -95.564,0.288 ccw(c-99.1,-0.519) -102.647,0.242 ccw(c-102.522,0.215) -102.65,0.215 ccw(c-102.522,0.215) -102.522,0.088 -95.733,0.088 ccw(c-95.733,0.215) -95.623,0.15 ccw(c-95.688,0.26)
  pour cut-out: -8.764,0.288 ccw(c-12.3,-0.519) -15.847,0.242 ccw(c-15.722,0.215) -15.85,0.215 ccw(c-15.722,0.215) -15.722,0.088 -8.933,0.088 ccw(c-8.933,0.215) -8.823,0.15 ccw(c-8.888,0.26)
  pour cut-out: -102.636,94.342 ccw(c-99.1,95.149) -95.553,94.388 ccw(c-95.678,94.415) -95.55,94.415 ccw(c-95.678,94.415) -95.678,94.542 -102.467,94.542 ccw(c-102.467,94.415) -102.577,94.48 ccw(c-102.512,94.37)
  pour cut-out: -189.436,94.342 ccw(c-185.9,95.149) -182.353,94.388 ccw(c-182.478,94.415) -182.35,94.415 ccw(c-182.478,94.415) -182.478,94.542 -189.267,94.542 ccw(c-189.267,94.415) -189.377,94.48 ccw(c-189.312,94.37)
  pour cut-out: -276.236,94.342 ccw(c-272.7,95.149) -269.153,94.388 ccw(c-269.278,94.415) -269.15,94.415 ccw(c-269.278,94.415) -269.278,94.542 -276.067,94.542 ccw(c-276.067,94.415) -276.177,94.48 ccw(c-276.112,94.37)

## Silkscreen, mask and mechanical layers (free items; w line width, h text height)
Top Overlay:
  lines w0.254: -106.528,8.001 -107.696,8.001 -107.696,10.414 -106.528,10.414 ; -147.75,16.2 -125.3,16.2 -125.3,22.748 -147.75,22.748 -147.75,16.2 ; -105.029,14.986 -90.297,14.986 -90.297,21.59 -105.029,21.59 -105.029,14.986 ; -76.073,16.256 -61.214,16.256 -61.214,20.447 -76.073,20.447 -76.073,16.256
  text "+" at -64.746,59.004 h1.5
  text "-" at -64.796,56.504 h1.5
  text "+" at -8.597,55.987 h1.5
  text "-" at -8.696,53.554 h1.5
  text "5V IN" at -7.323,51.577 h0.75
  text "+" at -15.421,44.24 h0.75 r270
  text "+" at -10.658,44.24 h0.75 r270
  text "-" at -17.9,43.634 h0.75
  text "-" at -13.137,43.634 h0.75
  text "C" at -17.773,39.817 h0.75
  text "C" at -13.01,39.817 h0.75
  text "A" at -15.233,39.795 h0.75
  text "A" at -10.47,39.795 h0.75
  text "CON304" at -99.441,22.098 h0.75
  text "CON303" at -70.739,20.955 h0.75
  text "RST" at -115.57,20.066 h0.75 r270
  text "GND" at -112.903,19.939 h0.75 r270
  text "cyber60-1" at -146.579,19.319 h5
  text "by 4pplet" at -134.15,16.85 h2
  text "Rev A1" at -146.4,16.75 h2
  text "1: 3V3 - 2: SWDIO / 3: RST - 4: SWDCLK / 5: GND - 6: NC" at -75.565,16.637 h0.75
  text "1: 3V3 - 2: SWDIO / 3: GND - 4: SWDCLK / 5: GND - 6: NC / 7: NC -  8: NC / 9: GND - 10: RST" at -104.521,15.367 h0.75
  text "2" at -99.695,11.303 h0.75
  text "RESET" at -118.15,10.8 h0.75 r270
  text "5" at -91.7,10.6 h0.75
  text "6" at -97,10.45 h0.75
  text "2" at -97.05,7.4 h0.75
  text "1" at -91.65,7.3 h0.75
  text "9" at -107.696,6.35 h0.75
  text "10" at -99.695,6.35 h0.75
  text "CLK" at -110.073,5.223 h0.75 r270
  text "DIO" at -107.573,5.123 h0.75 r270
  text "3V3" at -105.673,3.327 h0.75
  text "P0.04" at -116.673,3.227 h0.75
  text "RST" at -112.773,3.227 h0.75
  text "GND" at -121.023,1.277 h0.75
Bottom Overlay:
  lines w0.2: -118.55,0.35 -118.55,2.85 -103.3,2.85 -103.3,0.35 -118.55,0.35 ; -7,53.05 -4.5,53.05 -4.5,53.1 -4.45,53.1 -4.45,58.15 -7,58.15 -7,53.05
  lines w0.254: -63.1,61.05 -60.6,61.05 ; -60.6,61.05 -60.6,56 -63.15,56 -63.15,61.05 -60.6,61.05 ; -116.332,14.859 -116.332,17.399 -111.252,17.399 -111.252,14.859 -116.332,14.859
  text "+" at -64.746,59.004 h1.5
  text "-" at -64.796,56.504 h1.5
  text "+" at -3.646,56.004 h1.5
  text "BAT" at -60.9,54.8 h0.75
  text "-" at -3.597,53.387 h1.5
  text "5V IN" at -3.977,51.627 h0.75
  text "RST" at -114.681,20.066 h0.75 r90
  text "GND" at -112.141,19.939 h0.75 r90
  text "CON306" at -117.221,15.875 h0.75
  text "RESET" at -117.4,10.75 h0.75 r90
  text "CLK" at -109.327,5.223 h0.75 r90
  text "DIO" at -106.827,5.123 h0.75 r90
  text "3V3" at -103.677,3.327 h0.75
  text "P0.04" at -113.377,3.227 h0.75
  text "RST" at -110.977,3.227 h0.75
  text "GND" at -119.027,1.277 h0.75
outline:
  lines w0.1: -284.861,36.576 -280.67,36.576 ccw(c-280.67,37.719) -279.527,37.719 -279.527,37.795 ccw(c-280.797,37.795) -280.797,39.065 -284.85,39.065 -284.85,92.415 cw(c-282.85,92.415) -282.85,94.415 -275.85,94.415 ccw(c-272.7,95.149) -269.55,94.415 -189.05,94.415 ccw(c-185.9,95.149) -182.75,94.415 -102.25,94.415 ccw(c-99.1,95.149) -95.95,94.415 -23.553,94.415 ; -284.85,36.565 -284.85,2.215 ccw(c-282.85,2.215) -282.85,0.215 -275.85,0.215 cw(c-272.7,-0.52) -269.55,0.215 -189.05,0.215 cw(c-185.9,-0.52) -182.75,0.215 ccw(c-182.735,0.215) -182.735,0.2 -180.15,0.2 ; -179.72,0.2 -180.15,0.2 ; -24.208,94.415 -13.477,94.415 ccw(c-10.327,95.149) -7.177,94.415 ; -7.15,94.415 -2.15,94.415 cw(c-2.15,92.415) -0.15,92.415 -0.15,39.065 -4.242,39.065 ccw(c-4.242,37.846) -5.461,37.846 ccw(c-4.191,37.846) -4.191,36.576 -0.762,36.576 -0.15,36.576 -0.15,2.215 cw(c-2.15,2.215) -2.15,0.215 -9.15,0.215 ccw(c-12.3,-0.52) -15.45,0.215 -95.95,0.215 ccw(c-99.1,-0.52) -102.25,0.215 cw(c-102.265,0.215) -102.265,0.2 -144.03,0.2 cw(c-144.03,1.47) -145.3,1.47 -145.3,5.08 ccw(c-146.57,5.08) -146.57,6.35 -176.38,6.35 ccw(c-176.38,5.08) -177.65,5.08 -177.65,1.47 cw(c-178.92,1.47) -178.92,0.2 -180.15,0.2
  lines w0.203: -119.294,94.604 -119.29,94.608
Mechanical 16:
  drawing of 560 lines, arcs and shapes, not listed

## Dimensions
-0.15,92.415 to -284.85,92.415 on top dimensions
-9.15,0.215 to -7.177,94.415 on top dimensions
-0.15,92.415 to -284.85,92.415 on bot dimensions
-9.15,0.215 to -2.15,94.415 on bot dimensions

## Text inside footprints (layer, text, board x,y; h text height)
CON301: Mechanical 15 "connector edge" at -15.25,95.25 h1 r180
CON304: Top Overlay "1" at -107.569,11.176 h0.75
CON306: Top Overlay "-" at -50.38,54.578 h1.54; Top Overlay "3.7V LiPo" at -49.657,57.785 h1.3; Top Overlay "+" at -50.634,62.198 h1.54 r270
S262: Mechanical 16 "6.25U" at -188.764,5.615 h1.52 r270; Mechanical 16 "7U" at -208.331,7.365 h1.52 r270